# KiCad board AT386SX.kicad_pcb (continued)
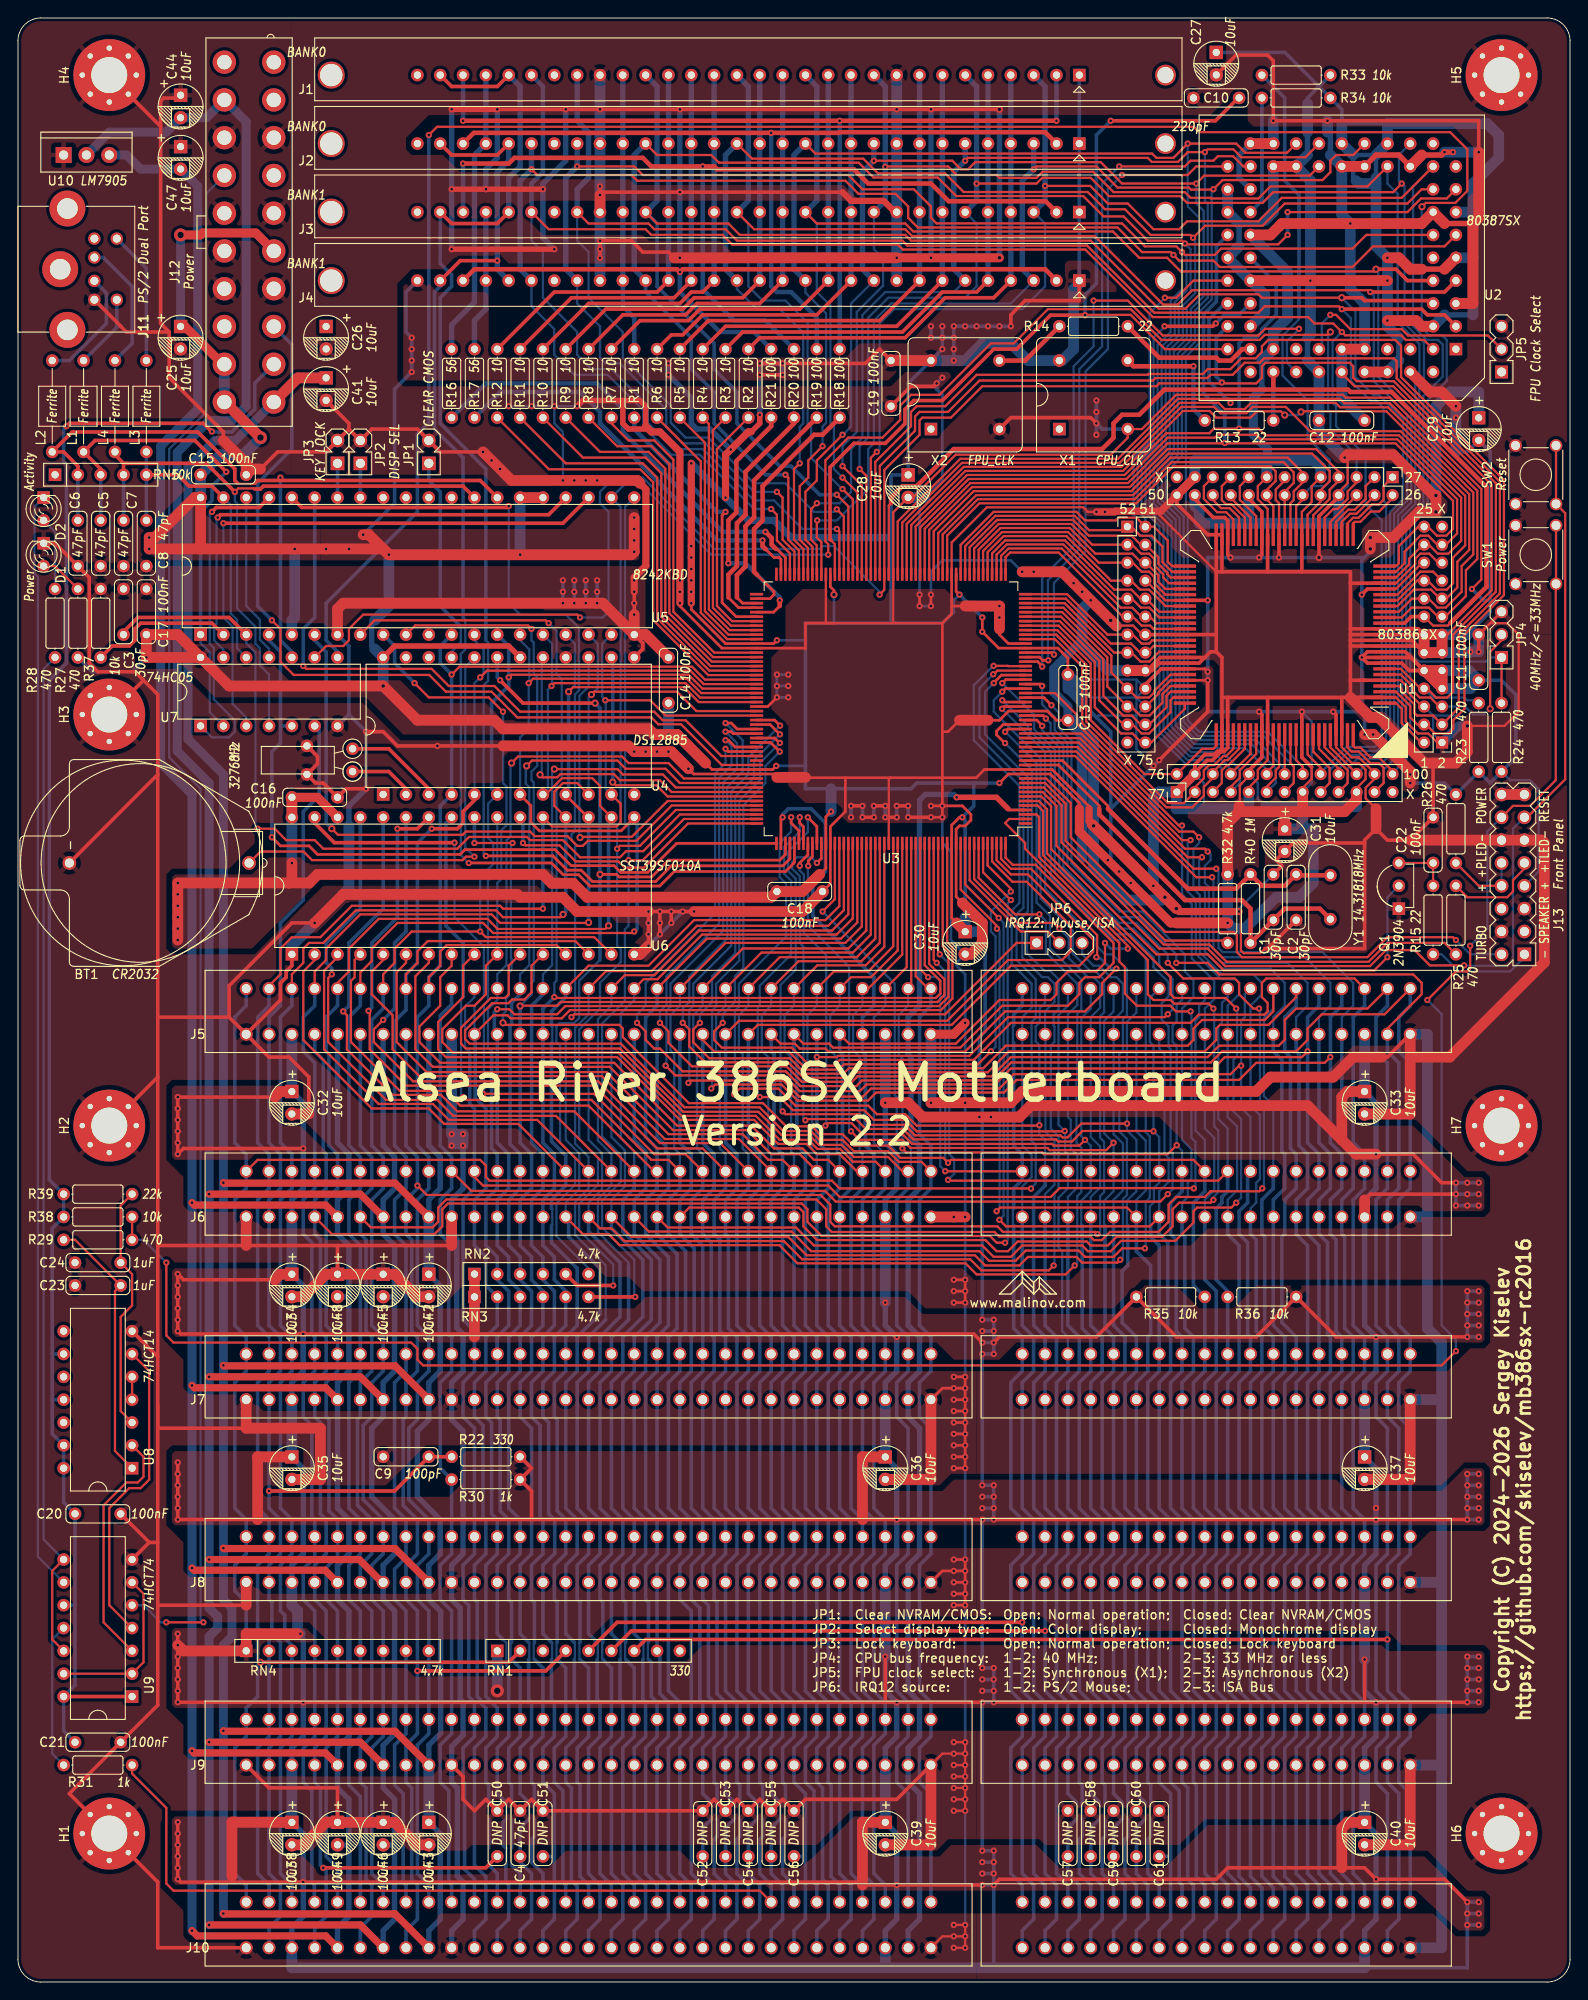
[diagram p0: board, top side]
## Routing (per net, layer and track width the routed paths; a pad name or vN(x,y) marks a point on that pad's centre or on a via; arc(x,y) is an arc through that point) (continued)
DRQ5: length 158.7
  Top w0.25: U3.21 118.32,138.86 129.22,127.95 130.81,127.95 v1(131.44,127.32)
  Bottom w0.25: v1(131.44,127.32) 131.44,126.68 130.81,126.05 130.81,121.6 131.52,120.89 131.52,114.54 133.98,112.08 137.48,112.08 138.43,111.12 138.43,109.86 137.16,108.58 J5.73 137.16,97.47 138.21,96.43 138.21,89.31 137.79,88.9 137.79,86.68 137.16,86.04 J6.73
  Bottom w0.4: J6.73 137.16,83.19 137.79,82.55 137.79,72.39 138.43,71.75 138.43,67.94 137.16,66.68 J7.73 137.16,52.71 138.43,51.44 138.43,47.62 137.16,46.35 J8.73 137.16,32.38 138.43,31.12 138.43,27.31 137.16,26.03 J9.73 137.16,11.75 138.43,10.48 138.43,6.98 137.16,5.72 J10.73
DRQ6: length 162.4
  Top w0.25: v1(132.4,125.73) 132.08,126.05 129.85,126.05 118.05,137.86 U3.19
  Bottom w0.25: J5.75 142.24,107.31 143.51,108.58 143.51,111.12 141.29,113.35 133.99,113.35 132.53,114.8 132.53,121.79 132.08,122.24 132.08,124.14 132.72,124.78 132.72,125.41 v1(132.4,125.73)
  Bottom w0.4: J5.75 142.24,103.5 142.56,103.19 142.56,93.03 143.51,92.07 143.51,88.26 142.24,87 J6.75 142.24,83.19 143.51,81.91 143.51,67.94 142.24,66.68 J7.75 142.24,52.71 143.51,51.44 143.51,47.62 142.24,46.35 J8.75 142.24,32.38 143.51,31.12 143.51,27.31 142.24,26.03 J9.75 142.24,12.06 143.51,10.79 143.51,6.98 142.24,5.72 J10.75
DRQ7: length 165.3
  Top w0.25: v1(133.35,123.83) 130.81,123.83 117.78,136.86 U3.17
  Bottom w0.25: v1(133.35,123.83) 133.6,123.58 133.6,115.01 134.06,114.55 145.17,114.55 148.59,111.12 148.59,108.58 147.32,107.31 J5.77
  Bottom w0.4: J10.77 147.32,5.72 148.59,6.98 148.59,10.79 147.32,12.06 J9.77 147.32,26.03 148.59,27.31 148.59,31.12 147.32,32.38 J8.77 147.32,46.35 148.59,47.62 148.59,51.44 147.32,52.71 J7.77 147.32,66.68 148.59,67.94 148.59,71.75 147.64,72.71 147.64,82.87 147.32,83.19 J6.77 147.32,87 148.59,88.26 148.59,92.07 147.32,93.34 J5.77
FPU_CLK2: length 15.8
  Top w0.5: R14.2 127,180.66 133.35,180.66 133.67,180.34 134.97,180.34 136.24,181.61 U2.53
FPU_PEREQ: length 75.7
  Top w0.25: v1(142.56,183.87) 138.79,183.87 138.04,183.13 127.39,183.13 123.51,187.01 v1(119.7,187.01)
  Top w0.3: v1(113.98,146.3) 113.98,146.36 113.48,146.86 U3.37
  Bottom w0.25: U2.56 141.22,180.09 141.22,182.49 142.56,183.83 v1(142.56,183.87) ; v1(119.7,187.01) 119.7,181.93 117.47,179.7 117.47,159.7 113.98,156.21 113.98,146.31 v1(113.98,146.3)
FPU_RESET: length 103.9
  Top w0.25: U2.51 127.63,181.61 123.82,185.42 118.78,185.42 v1(118.75,185.38) ; U3.91 90.91,159.92 90.49,160.34
  Top w0.4: 90.49,160.34 90.37,160.45 90.37,168.48 93.03,171.13 96.52,171.13 98.7,173.32 98.7,174.9 99.69,175.89 102.87,175.89 108.58,181.61 111.12,181.61 114.9,185.38 v1(118.75,185.38) ; 135.77,209.52 133.26,207.01 121.79,207.01 v1(121.6,207.01)
  Bottom w0.4: v1(121.6,207.01) 120.01,205.42 120.01,188.91 118.75,187.64 v1(118.75,185.38)
HLDA: length 138.4
  Top w0.25: U1.3 153.35,143.51 154.94,141.92 154.94,140.65 155.73,139.86 J14.4 156.69,139.86 157.68,138.86 159.2,138.86 159.73,139.39 159.73,140.36 160.97,141.61 160.97,149.86 165.36,154.25 165.36,167.06 153.92,178.51 153.92,182 153.28,182.63 139.14,182.63 138.43,181.93 138.43,181.29 137.72,180.59 136.14,180.59 134.94,179.39 132.4,179.39 131.86,178.85 125.82,178.85 125.73,178.75 106.68,178.75 103.19,175.26 100.01,175.26 99.38,174.62 99.38,173.04 95.41,169.06 U3.82
HOLD: length 132.3
  Top w0.25: U3.81 95.91,168.61 99.83,172.53 99.83,174.12 100.33,174.62 103.5,174.62 107,178.12 126.3,178.12 126.58,178.4 132.36,178.4 132.72,178.75 135.17,178.75 136.51,180.09 138.18,180.09 138.68,180.59 153.11,180.59 153.42,180.27 153.42,178.36 164.91,166.87 164.91,154.44 160.34,149.86 160.34,141.72 J14.3 157.48,140.86 155.68,140.86 155.39,141.16 155.39,142.11 153.99,143.51 153.99,143.83 153.67,144.14 U1.4
INTR: length 52.1
  Top w0.25: U1.40 139.7,164.15 138.97,164.88 J15.16 138.97,165.96 139.38,166.37 139.38,166.37 139.97,166.96 139.97,168 139.38,168.59 128.59,168.59 124.46,164.47 107,164.47 103.41,160.87 U3.66
IO_CH_RDY: length 257.5
  Top w0.25: J6.41 50.44,87.99 89.81,87.99 91,86.8 127.12,86.8 v1(127.95,87.63)
  Top w0.3: U3.33 109.93,144.86 v1(109.54,144.46)
  Bottom w0.25: v1(127.95,87.63) 128.5,88.17 128.5,92.17 128.27,92.39 128.27,103.75 128.04,103.98 128.04,106.27 127.28,107.04 127.28,108.86 128.04,109.63 128.04,111.19 126.37,112.87 126.37,113.98 123.82,116.52 122.24,116.52 115.38,123.38 115.38,137.03 113.07,139.34 113.07,140.93 110.21,143.79 110.21,143.79 v1(109.54,144.46)
  Bottom w0.4: J10.41 48.26,10.79 47.94,11.11 47.94,21.27 46.99,22.22 46.99,26.35 48.26,27.62 J9.41 48.26,41.28 46.99,42.54 46.99,46.35 48.26,47.62 J8.41 R30.2 46.99,57.15 46.99,66.68 48.26,67.94 J7.41 48.26,71.75 47.94,72.07 47.94,82.23 46.99,83.19 46.99,87 48.26,88.26 J6.41 48.26,91.76 46.99,93.03 46.99,107.47 48.26,108.74 J5.41
IRQ3: length 168.7
  Top w0.25: U3.208 109.91,125.05 110.69,124.26 113.23,124.26 121.92,115.57 121.92,113.35 120.33,111.76 118.75,111.76 118.11,111.12 118.11,109.86 116.84,108.58 109.54,108.58 104.87,103.92 90.71,103.92 90.26,104.37 87.4,104.37 J5.25
  Bottom w0.4: C56.1 87.63,13.97 ; 87.63,13.97 87.63,6.98 86.36,5.72 J10.25 ; 87.63,13.97 87.63,20.96 86.36,22.22 J9.25 86.36,26.03 87.63,27.31 87.63,31.12 86.36,32.38 J8.25 86.36,46.35 87.63,47.62 87.63,51.44 86.36,52.71 J7.25 86.36,66.68 87.63,67.94 87.63,71.75 86.36,73.03 J6.25 86.36,87 87.63,88.26 87.63,92.07 86.68,93.03 86.68,103.19 86.36,103.5 J5.25
IRQ4: length 172.7
  Top w0.25: 122.24,112.71 120.65,111.12 120.65,109.86 118.75,107.95 109.86,107.95 105.37,103.47 90.21,103.47 89.85,103.82 87,103.82 86.45,104.37 84.86,104.37 J5.24 ; U3.207 109.41,124.91 110.5,123.81 112.73,123.81 120.09,116.44 120.09,113.98
  Top w0.3: 122.24,112.71 v1(122.24,112.71) ; 120.09,113.98 v1(120.02,113.98)
  Bottom w0.25: 84.77,20 84.84,19.93 84.84,18.17 84.77,18.1
  Bottom w0.3: v1(120.02,113.98) 120.17,113.82 120.49,113.82 121.6,112.71 v1(122.24,112.71)
  Bottom w0.4: 84.77,18.1 83.82,17.15 C55.1 83.82,12.06 85.09,10.79 85.09,6.98 83.82,5.72 J10.24 ; J5.24 83.82,103.5 84.14,103.19 84.14,93.03 85.09,92.07 85.09,88.26 83.82,87 J6.24 83.82,73.03 85.09,71.75 85.09,67.94 83.82,66.68 J7.24 83.82,52.71 85.09,51.44 85.09,47.62 83.82,46.35 J8.24 83.82,32.38 85.09,31.12 85.09,27.31 83.82,26.03 J9.24 83.82,20.96 84.77,20
IRQ5: length 167.5
  Top w0.25: U3.206 108.91,124.77 110.49,123.19 112.4,123.19 119.64,115.94 119.64,114.56 118.11,113.03 110.49,113.03 103.91,106.45 82.32,106.45 J5.23
  Bottom w0.25: 82.23,20 82.3,19.93 82.3,18.17 82.23,18.1
  Bottom w0.4: 82.23,20 81.28,20.96 J9.23 81.28,26.03 82.55,27.31 82.55,31.12 81.28,32.38 J8.23 81.28,46.35 82.55,47.62 82.55,51.44 81.28,52.71 J7.23 81.28,66.68 82.55,67.94 82.55,71.75 81.28,73.03 J6.23 81.28,87 82.55,88.26 82.55,92.07 81.28,93.34 J5.23 ; 82.23,18.1 81.28,17.15 C54.1 81.28,12.06 82.55,10.79 82.55,6.98 81.28,5.72 J10.23
IRQ6: length 166.5
  Top w0.25: U3.205 108.41,124.64 110.67,122.37 112.26,122.37 117.16,117.47 117.16,114.64 116.19,113.66 110.17,113.66 103.41,106.9 80.23,106.9 J5.22
  Bottom w0.25: 79.69,18.1 79.76,18.17 79.76,19.93 79.69,20
  Bottom w0.4: J10.22 78.74,5.72 80.01,6.98 80.01,10.79 78.74,12.06 C53.1 78.74,17.15 79.69,18.1 ; J5.22 78.74,93.34 80.01,92.07 80.01,88.26 78.74,87 J6.22 78.74,83.19 79.06,82.87 79.06,72.71 80.01,71.75 80.01,67.94 78.74,66.68 J7.22 78.74,52.71 80.01,51.44 80.01,47.62 78.74,46.35 J8.22 78.74,32.38 80.01,31.12 80.01,27.31 78.74,26.03 J9.22 78.74,20.96 79.69,20
IRQ7: length 168.2
  Top w0.25: v1(110.49,121.28) 110.49,121.6 107.91,124.19 U3.204 ; J5.21 76.2,104.78 77.51,103.47 85.8,103.47 87.8,101.47 91.31,101.47 91.91,102.07 106.84,102.07 v1(108.27,103.5)
  Bottom w0.25: 77.15,20 77.22,19.93 77.22,18.17 77.15,18.1 ; v1(110.49,121.28) 108.27,119.06 108.27,116.84 108.79,116.32 108.79,104.02 v1(108.27,103.5)
  Bottom w0.4: 77.15,18.1 76.2,17.15 C52.1 76.2,12.06 77.47,10.79 77.47,6.98 76.2,5.72 J10.21 ; J5.21 76.2,93.34 77.47,92.07 77.47,88.26 76.2,87 J6.21 76.2,83.19 77.15,82.23 77.15,72.07 77.47,71.75 77.47,67.94 76.2,66.68 J7.21 76.2,52.71 77.47,51.44 77.47,47.62 76.2,46.35 J8.21 76.2,42.54 76.83,41.91 76.83,31.75 77.47,31.12 77.47,27.31 76.2,26.03 J9.21 76.2,20.96 77.15,20
IRQ9: length 255.5
  Top w0.25: U3.203 107.41,123.42 109.82,121.01 110.49,120.33 v1(110.49,120.33) ; v1(109.86,82.23) 108.9,82.23 108.16,82.97 89.43,82.97 87.86,84.55 87.86,85.95 87.22,86.59 47.85,86.59 47.22,85.95 47.22,84.05 46.36,83.19 34.92,83.19 J6.4
  Top w0.4: v1(33.97,12.7) 52.05,12.7 53.32,13.97
  Bottom w0.25: v1(109.86,82.23) 110.14,82.51 110.14,119.98 v1(110.49,120.33)
  Bottom w0.4: J5.4 33.02,103.5 33.97,102.55 33.97,92.39 34.29,92.07 34.29,88.26 33.02,87 J6.4 33.02,83.19 33.66,82.55 33.66,72.39 34.29,71.75 34.29,67.94 33.02,66.68 J7.4 33.02,62.87 33.66,62.23 33.66,52.07 34.29,51.44 34.29,47.62 33.02,46.35 J8.4 33.02,42.54 34.29,41.28 34.29,27.31 33.02,26.03 J9.4 33.02,22.22 33.66,21.59 33.66,13.02 v1(33.97,12.7) 34.29,12.38 34.29,7.3 33.02,6.03 J10.4
IRQ10: length 135.3
  Top w0.25: U3.202 106.91,122.81 110.97,118.75 v1(113.66,118.75)
  Bottom w0.25: J6.65 116.84,87.31 117.88,88.36 117.88,91.98 117.16,92.71 117.16,95.88 116.84,96.2 J5.65 116.84,107.63 117.88,108.68 117.88,111.03 114.39,114.53 114.39,118.02 v1(113.66,118.75) ; 117.79,20 117.86,19.93 117.86,18.17 117.79,18.1
  Bottom w0.4: J6.65 116.84,73.03 118.11,71.75 118.11,67.94 116.84,66.68 J7.65 116.84,52.71 118.11,51.44 118.11,47.62 116.84,46.35 J8.65 116.84,32.38 118.11,31.12 118.11,27.31 116.84,26.03 J9.65 116.84,20.96 117.79,20 ; J10.65 116.84,5.72 118.11,6.98 118.11,10.79 116.84,12.06 C57.1 116.84,17.15 117.79,18.1
IRQ11: length 137.7
  Top w0.25: v1(115.89,117.16) 115.25,117.79 111.28,117.79 106.41,122.67 U3.201
  Bottom w0.25: 120.33,18.1 120.4,18.17 120.4,19.93 120.33,20 ; J6.66 119.38,87.31 120.43,88.36 120.43,92.93 119.38,93.98 J5.66 119.38,107.31 120.43,108.36 120.43,111.03 119.7,111.76 119.06,111.76 116.93,113.89 116.93,116.11 v1(115.89,117.16)
  Bottom w0.4: J10.66 119.38,5.72 120.65,6.98 120.65,10.79 119.38,12.06 C58.1 119.38,17.15 120.33,18.1 ; 120.33,20 119.38,20.96 J9.66 119.38,26.03 120.65,27.31 120.65,31.12 119.38,32.38 J8.66 119.38,46.35 120.65,47.62 120.65,51.44 119.38,52.71 J7.66 119.38,66.68 120.65,67.94 120.65,71.75 119.38,73.03 J6.66
IRQ12: length 120.7
  Bottom w0.25: JP6.3 118.43,114.3 119.7,113.03 120.33,113.03 121.6,111.76 122.24,111.76 122.96,111.03 122.96,108.04 121.92,107 J5.67 121.92,94.3 122.96,93.25 122.96,88.04 121.92,87 J6.67 ; 122.87,18.1 122.94,18.17 122.94,19.93 122.87,20
  Bottom w0.4: 122.87,18.1 121.92,17.15 C59.1 121.92,12.06 123.19,10.79 123.19,6.98 121.92,5.72 J10.67 ; 122.87,20 121.92,20.96 J9.67 121.92,26.03 123.19,27.31 123.19,31.12 121.92,32.38 J8.67 121.92,46.35 123.19,47.62 123.19,51.44 121.92,52.71 J7.67 121.92,66.68 123.19,67.94 123.19,71.75 121.92,73.03 J6.67
IRQ12_JP: length 17
  Top w0.25: U3.200 105.91,122.54 111.6,116.84 114.62,116.84 JP6.2
IRQ14: length 170.3
  Top w0.25: v1(109.14,118.35) 105.41,122.08 U3.199 ; v1(109.22,84.77) 109.95,84.05 125.96,84.05 J6.69
  Bottom w0.25: v1(109.14,118.35) 109.69,117.8 109.69,85.24 v1(109.22,84.77) ; J5.69 127,103.82 127.58,103.24 127.58,92.13 128.04,91.67 128.04,88.99 127,87.95 J6.69
  Bottom w0.4: J6.69 127,83.19 127.95,82.23 127.95,72.07 128.27,71.75 128.27,67.94 127,66.68 J7.69 127,52.71 128.27,51.44 128.27,47.62 127,46.35 J8.69 127,32.38 128.27,31.12 128.27,27.31 127,26.03 J9.69 127,22.22 128.27,20.96 128.27,13.97 ; 128.27,13.97 C61.1 ; 128.27,13.97 128.27,6.98 127,5.72 J10.69
IRQ15: length 166.8
  Top w0.25: v1(108.94,117.16) 108.88,117.22 108.88,117.53 104.91,121.51 U3.198 ; J6.68 123.42,86.13 109.31,86.13 v1(108.9,85.72)
  Bottom w0.25: v1(108.94,117.16) 109.24,116.86 109.24,86.06 v1(108.9,85.72) ; 125.41,20 125.48,19.93 125.48,18.17 125.41,18.1 ; J5.68 124.46,94.62 125.5,93.57 125.5,88.04 124.46,87 J6.68
  Bottom w0.4: 125.41,18.1 124.46,17.15 C60.1 124.46,12.06 125.73,10.79 125.73,6.98 124.46,5.72 J10.68 ; J6.68 124.46,81.28 126.05,79.69 126.05,72.07 125.73,71.75 125.73,67.94 124.46,66.68 J7.68 124.46,52.71 125.73,51.44 125.73,47.62 124.46,46.35 J8.68 124.46,32.38 125.73,31.12 125.73,27.31 124.46,26.03 J9.68 124.46,20.96 125.41,20
KBC_CLK: length 97.4
  Top w0.25: v1(26.67,128.27) 28.57,128.27 29.84,127 33.02,127 33.97,126.05 48.89,126.05 50.2,127.36 56.63,127.36 56.99,127 60.64,127 62.55,125.09 66.99,125.09 67.67,125.77 69.57,125.77 73.66,129.86 U3.154
  Top w0.4: U5.3 23.49,151.76 13.33,151.76 11.75,150.18 C3.1
  Bottom w0.25: v1(26.67,128.27) 26.42,128.52 26.42,147.88 25.4,148.91 U5.3
KBC_IRQ1: length 73.8
  Top w0.25: U3.141 78.28,136.36 74.3,140.33 71.75,140.33 70.8,141.29 55.88,141.29 53.02,144.14 47.94,144.14 46.04,146.05 32.07,146.05 v1(31.75,146.37)
  Bottom w0.4: v1(31.75,146.37) 31.75,150.5 33.02,151.76 U5.35
KBC_IRQ12: length 143.6
  Top w0.25: JP6.1 111.12,115.57 103.19,107.63 61.91,107.63 61.6,107.32 v1(61.6,107.31)
  Top w0.4: U5.36 31.58,164 54.46,164 v1(54.61,164.15)
  Bottom w0.25: v1(61.6,107.31) 62,107.72 62,126.59 61.59,127 61.59,127.64 61.98,128.02 61.98,143.19 62.43,143.64 62.43,150.61 60.96,152.08 55.88,152.08 54.61,153.35 v1(54.61,164.15)
LA17: length 176.1
  Top w0.25: v1(128.95,93.07) 127.95,92.07 114.17,92.07 113.98,92.26 98.87,92.26 v1(98.42,92.71) ; v1(89.53,119.06) 90.91,120.43 U3.170
  Bottom w0.25: J5.88 129.54,109.22 128.94,108.62 128.94,106.82 128.5,106.37 128.5,104.55 128.94,104.1 128.94,93.07 v1(128.95,93.07) 129.54,92.48 J6.88 ; v1(98.42,92.71) 98.42,92.71 97.79,93.34 97.79,98.43 97.57,98.65 97.57,111.03 v1(89.53,119.06)
  Bottom w0.4: J10.88 129.54,10.79 129.22,11.11 129.22,21.27 128.27,22.22 128.27,26.03 129.54,27.31 J9.88 129.54,31.12 128.27,32.38 128.27,46.35 129.54,47.62 J8.88 129.54,51.44 128.27,52.71 128.27,66.68 129.54,67.94 J7.88 129.54,71.75 128.91,72.39 128.91,82.55 128.27,83.19 128.27,86.68 129.54,87.95 J6.88
LA18: length 182.1
  Top w0.25: v1(87.63,95.85) 87.76,95.98 93.25,95.98 94.35,94.88 98.47,94.88 99.64,93.72 115.52,93.72 115.76,93.48 117.29,93.48 118.47,94.65 126.33,94.65 v1(126.37,94.62)
  Top w0.3: U3.167 89.41,124.97 v1(88.9,124.46)
  Bottom w0.25: v1(88.9,124.46) 88.27,125.09 86.68,125.09 86.16,124.58 86.16,123.82 87,122.99 87,115.57 87.4,115.16 87.4,96.07 v1(87.63,95.85) ; 126.05,84.14 125.96,84.23 125.96,86.27 126.41,86.72 126.41,88.31 127,88.9 J6.87 127,93.98 v1(126.37,94.62) 126.37,104.14 125.96,104.55 125.96,109.45 J5.87 ; 126.05,20 125.98,19.93 125.98,18.17 126.05,18.1
  Bottom w0.4: 126.05,20 126.05,21.91 125.73,22.22 125.73,26.03 127,27.31 J9.87 127,31.12 125.73,32.38 125.73,46.35 127,47.62 J8.87 127,51.44 125.73,52.71 125.73,66.68 127,67.94 J7.87 127,81.91 126.05,82.87 126.05,84.14 ; 126.05,18.1 126.05,16.19 125.73,15.88 125.73,12.06 127,10.79 J10.87
LA19: length 185.6
  Top w0.25: v1(123.42,95.48) 118.34,95.48 116.79,93.93 116.26,93.93 116.02,94.17 99.83,94.17 98.66,95.33 94.85,95.33 93.66,96.52 85.41,96.52 v1(85.09,96.84)
  Top w0.3: U3.166 88.91,128.53 v1(87.89,129.54)
  Bottom w0.25: 123.51,20 123.44,19.93 123.44,18.17 123.51,18.1 ; 123.51,84.14 123.42,84.23 123.42,86.9 124.14,87.63 124.46,87.95 J6.86 124.46,93.66 123.42,94.71 v1(123.42,95.48) 123.42,106.79 124.46,107.83 J5.86 ; v1(85.09,96.84) 84.86,97.06 84.86,110.9 86.55,112.58 86.55,122.72 85.71,123.56 85.71,125.72 87.89,127.9 v1(87.89,129.54)
  Bottom w0.4: 123.51,18.1 123.51,16.19 123.19,15.88 123.19,12.06 124.46,10.79 J10.86 ; 123.51,84.14 123.51,79.69 122.87,79.06 122.87,73.34 124.46,71.75 J7.86 124.46,67.94 123.19,66.68 123.19,52.71 124.46,51.44 J8.86 124.46,47.62 123.19,46.35 123.19,32.38 124.46,31.12 J9.86 124.46,27.31 123.19,26.03 123.19,22.22 123.51,21.91 123.51,20
LA20: length 171.4
  Top w0.25: v1(121.92,93.34) 121.1,92.52 114.8,92.52 114.56,92.76 99.32,92.76 98.42,93.66 93.66,93.66 v1(92.71,94.61)
  Top w0.3: U3.165 88.41,125.16 87.95,124.71 v1(87.95,124.14)
  Bottom w0.25: v1(87.95,124.14) 87.91,124.11 87.91,117.51 92.48,112.94 92.48,94.84 v1(92.71,94.61) ; 120.97,18.1 120.9,18.17 120.9,19.93 120.97,20 ; J5.85 121.92,107.95 120.87,106.9 120.87,94.39 121.92,93.35 v1(121.92,93.34) J6.85 121.92,87.95 120.88,86.9 120.88,84.23 120.97,84.14
  Bottom w0.4: J10.85 121.92,10.79 120.65,12.06 120.65,15.88 120.97,16.19 120.97,18.1 ; 120.97,20 120.97,21.91 120.65,22.22 120.65,26.03 121.92,27.31 J9.85 121.92,31.12 120.65,32.38 120.65,46.35 121.92,47.62 J8.85 121.92,51.44 120.65,52.71 120.65,66.68 121.92,67.94 J7.85 121.92,71.75 120.97,72.71 120.97,84.14
LA21: length 170.1
  Top w0.25: v1(118.75,93.66) 118.11,93.03 115.25,93.03 115.07,93.21 99.51,93.21 98.42,94.3 93.98,94.3 92.75,95.53 90.13,95.53 v1(89.85,95.25)
  Top w0.3: v1(87,124.14) 87,124.46 87.91,125.37 U3.164
  Bottom w0.25: 118.43,18.1 118.36,18.17 118.36,19.93 118.43,20 ; J5.84 119.38,108.27 119.22,108.11 118.34,107.22 118.34,94.07 v1(118.75,93.66) 119.38,93.03 J6.84 119.38,87.95 118.93,87.5 118.34,86.9 118.34,84.23 118.43,84.14 ; v1(87,124.14) 87,123.62 87.46,123.16 87.46,116.69 89.94,114.21 89.94,95.34 v1(89.85,95.25)
  Bottom w0.4: 118.43,18.1 118.43,16.19 118.11,15.88 118.11,12.06 119.38,10.79 J10.84 ; 118.43,20 118.43,21.91 118.11,22.22 118.11,26.03 119.38,27.31 J9.84 119.38,31.12 118.11,32.38 118.11,46.35 119.38,47.62 J8.84 119.38,51.44 118.11,52.71 118.11,66.68 119.38,67.94 J7.84 119.38,71.75 118.43,72.71 118.43,84.14
LA22: length 178.9
  Top w0.25: v1(116.48,94.65) 116.44,94.62 100.01,94.62 98.74,95.88 95.25,95.88 94.17,96.97 86.23,96.97 84.77,98.43 v1(82.55,98.43)
  Top w0.3: v1(87,129.54) 87,128.91 87.41,128.5 U3.163
  Bottom w0.25: J5.83 116.84,108.58 115.79,107.54 115.79,95.34 v1(116.48,94.65) 116.52,94.62 116.52,92.39 116.84,92.07 J6.83 116.84,88.26 115.8,87.22 115.8,81.69 116.21,81.28 116.21,72.39 116.84,71.75 J7.83 ; v1(82.55,98.43) 82.32,98.65 82.32,108.36 82.55,108.58 82.55,110.81 86.04,114.3 86.04,122.47 85.26,123.25 85.26,126.22 87,127.95 v1(87,129.54)
  Bottom w0.4: J10.83 116.84,10.79 115.57,12.06 115.57,26.03 116.84,27.31 J9.83 116.84,31.12 115.57,32.38 115.57,46.35 116.84,47.62 J8.83 116.84,51.44 115.57,52.71 115.57,66.68 116.84,67.94 J7.83
LA23: length 179.9
  Top w0.25: v1(79.69,98.74) 80.32,99.37 84.62,99.37 86.52,97.47 94.61,97.47 95.57,96.52 98.74,96.52 100.01,95.25 113.63,95.25 v1(113.66,95.29)
  Top w0.3: v1(86.04,129.54) 86.04,128.91 86.91,128.04 U3.162
  Bottom w0.25: v1(79.69,98.74) 79.78,98.83 79.78,108.04 80.23,108.49 80.23,111.03 85.48,116.28 85.48,122.17 84.77,122.87 84.77,126.68 86.04,127.95 v1(86.04,129.54) ; J6.82 114.3,93.66 113.66,94.3 v1(113.66,95.29) 113.66,104.2 113.26,104.6 113.26,106.27 113.71,106.72 113.71,108.31 114.3,108.9 J5.82
  Bottom w0.4: J6.82 114.3,88.58 113.03,87.31 113.03,73.03 114.3,71.75 J7.82 114.3,67.94 113.03,66.68 113.03,52.71 114.3,51.44 J8.82 114.3,47.62 113.03,46.35 113.03,32.38 114.3,31.12 J9.82 114.3,27.31 113.03,26.03 113.03,12.06 114.3,10.79 J10.82
M/~{IO}: length 112.6
  Top w0.25: U3.73 99.91,161.91 105.61,167.61 123.16,167.61 127.81,172.26 132.57,172.26 133.07,172.76 138.07,172.76 138.8,172.03 153.68,172.03 160.6,165.11 160.6,160.28 159.18,158.86 158.01,158.86 157,159.86 J14.24 156.37,159.86 154.81,158.3 154.81,157.66 153.35,156.21 U1.23
  Bottom w0.4: U2.44 140.02,188.91 140.02,185.42 138.43,183.83 138.43,183.51 137.79,182.88 136.53,182.88 135.89,182.25 v1(135.89,172.76)
MA0: length 27.5
  Top w0.25: R2.1 77.79,170.5 77.79,153.03 79.47,151.36 U3.111
MA1: length 27.4
  Top w0.25: U3.112 79.33,150.86 77.34,152.85 77.34,172.59 R3.1
MA2: length 27.9
  Top w0.25: R4.1 76.89,173.3 76.89,152.66 79.2,150.36 U3.113
MA3: length 29.5
  Top w0.25: U3.114 79.06,149.86 76.44,152.48 76.44,171.21 R5.1
MA4: length 31.1
  Top w0.25: R6.1 75.99,169.12 75.99,152.29 78.92,149.36 U3.115
MA5: length 37.3
  Top w0.25: U3.118 77.49,147.86 72.94,152.41 72.94,169.32 70.8,171.45 67.94,171.45 66.04,173.35 R7.1
MA6: length 39.4
  Top w0.25: U3.119 77.35,147.36 72.49,152.22 72.49,168.81 70.48,170.81 66.67,170.81 R8.1
MA7: length 42
  Top w0.25: R9.1 64.77,170.18 70.17,170.18 72.04,168.31 72.04,152.03 77.22,146.86 U3.120
MA8: length 44.6
  Top w0.25: R10.1 62.86,169.55 69.85,169.55 71.59,167.81 71.59,151.85 77.08,146.36 U3.121
MA9: length 47.1
  Top w0.25: U3.122 76.94,145.86 71.14,151.66 71.14,167.31 69.53,168.91 60.96,168.91 R11.1
MA10: length 49.7
  Top w0.25: U3.123 76.81,145.36 70.69,151.48 70.69,166.8 69.24,168.25 59.08,168.25 R12.1
MASTER: length 266.9
  Top w0.25: J5.79 152.4,106.04 156.21,109.86 156.21,111.12 155.27,112.07 133.68,112.07 132.4,113.35 v1(128.91,113.35)
  Top w0.3: v1(113.98,144.14) 113.77,144.36 U3.32
  Top w0.4: v1(152.4,38.1) 69.85,38.1 RN1.7
  Bottom w0.25: v1(128.91,113.35) 128.91,114.3 124.78,118.43 122.58,118.43 116.79,124.22 116.79,137.81 115.37,139.23 115.37,140.7 113.98,142.08 v1(113.98,144.14)
  Bottom w0.4: J10.79 152.4,5.72 153.67,6.98 153.67,20.96 152.4,22.22 J9.79 152.4,26.03 153.67,27.31 153.67,31.12 152.4,32.38 J8.79 152.4,46.35 153.67,47.62 153.67,61.59 152.4,62.87 J7.79 152.4,66.68 153.67,67.94 153.67,71.75 152.4,73.03 J6.79 152.4,87 153.67,88.26 153.67,102.23 152.4,103.5 J5.79
NMI: length 54.7
  Top w0.25: U1.38 J15.14 140.97,165.74 141.97,166.73 141.97,167.91 140.84,169.04 128.4,169.04 124.28,164.92 106.82,164.92 102.91,161.01 U3.67
OSC: length 146.2
  Top w0.3: 110.17,130.49 110.31,130.36 U3.4
  Top w0.6: 110.17,130.49 108.9,131.76 v1(104.46,131.76)
  Bottom w0.6: J10.30 99.06,5.72 100.33,6.98 100.33,20.96 99.06,22.22 J9.30 99.06,26.03 100.33,27.31 100.33,31.12 99.06,32.38 J8.30 99.06,46.35 100.33,47.62 100.33,61.59 99.06,62.87 J7.30 99.06,66.68 100.33,67.94 100.33,71.75 99.06,73.03 J6.30 99.06,87 100.33,88.26 100.33,92.99 99.38,93.94 99.38,102.87 99.06,103.19 J5.30 99.06,107.31 100.33,108.58 100.33,131.44 100.97,132.08 104.14,132.08 v1(104.46,131.76)
POWER_GOOD: length 98.5
  Top w0.25: v1(28.26,151.45) 29.21,150.5 29.21,146.84 30.68,145.38 45.76,145.38 47.62,143.51 52.71,143.51 55.56,140.65 70.48,140.65 71.25,139.89 73.79,139.89 78.32,135.36 U3.143
  Bottom w0.4: J12.8 30.48,182.12 30.48,170.5 26.67,166.69 26.67,153.03 v1(28.26,151.45)
POWER_SW: length 262.7
  Top w0.25: v1(161.61,115.25) 161.61,115.25 161.61,112.71 161.29,112.39 160.02,112.39 v1(156.84,109.22) ; SW1.2 SW1.2 171.13,155.47 171.13,133.67 168.28,130.81 166.37,130.81 J13.14 ; v1(16.51,80.01) 16.51,71.91 17.3,71.12 43.76,71.12 44.45,70.43 44.45,69.22 45.09,68.58 158.43,68.58 v1(160.02,70.17) ; R38.1 R29.1
  Bottom w0.25: v1(156.84,109.22) 158.43,107.63 158.43,73.03 160.02,71.44 v1(160.02,70.17) ; R29.1 13.97,82.55 v1(16.51,80.01) ; J13.14 163.51,127.95 163.51,117.16 v1(161.61,115.25)
RESET: length 165.6
  Top w0.4: R22.2 C9.1 41.91,54.61 v1(27.94,54.61)
  Bottom w0.4: J10.2 27.94,6.03 29.21,7.3 29.21,10.79 27.94,12.06 J9.2 27.94,26.03 29.21,27.31 29.21,37.78 28.26,38.73 28.26,42.23 27.94,42.54 J8.2 27.94,46.35 29.21,47.62 29.21,51.44 27.94,52.71 v1(27.94,54.61) J7.2 27.94,66.68 29.21,67.94 29.21,71.75 27.94,73.03 J6.2 27.94,87 29.21,88.26 29.21,92.07 27.94,93.34 J5.2 27.94,107.31 29.21,108.58 29.21,117.79 31.75,120.33 31.75,130.18 33.52,131.94 33.52,139.2 U7.6
RTC_AS: length 30.6
  Top w0.25: v2(66.19,133.45) 66.53,133.1 71.05,133.1 72.3,131.86 U3.150
  Bottom w0.4: v2(66.19,133.45) 66.19,147.17 U4.14
RTC_DS: length 38.4
  Top w0.25: U3.149 72.75,132.36 71.44,133.67 66.99,133.67 66.32,134.34 60.36,134.34 60.01,133.99 58.38,133.99 v2(58.1,134.27)
  Bottom w0.25: U4.17 58.29,147.19 58.29,134.45 v2(58.1,134.27)
RTC_RW: length 41.8
  Top w0.25: U3.151 72.3,131.36 68.32,127.37 62.64,127.37 v2(62.55,127.28)
  Bottom w0.25: v2(62.55,127.28) 62.48,127.35 62.48,143.05 63.5,144.07 U4.15
SA0: length 196.7
  Top w0.25: J6.62 100.56,91.21 98.02,91.21 96.84,92.39 93.03,92.39 91.76,93.66 89.22,93.66 88.23,94.65 85.16,94.65 82.53,97.29 74.17,97.29 67.09,104.37 50.26,104.37 49.76,104.87 49.76,105.84 52.78,108.86 54.57,108.86 54.98,109.27 56.36,109.27 57.15,110.07 57.15,113.03 U6.12 ; J5.62 101.28,110.49 99.91,111.87 U3.188
  Bottom w0.4: J5.62 101.6,108.58 100.33,107.31 100.33,94.3 101.6,93.03 J6.62 101.6,88.26 100.33,87 100.33,73.03 101.6,71.75 J7.62 101.6,67.94 100.33,66.68 100.33,62.87 101.6,61.59 J8.62 101.6,47.62 100.33,46.35 100.33,32.38 101.6,31.12 J9.62 101.6,27.31 100.33,26.03 100.33,22.22 101.6,20.96 J10.62
SA1: length 192.9
  Top w0.25: J5.61 99.41,110.83 U3.187 ; U6.11 54.61,113.03 54.61,109.86 54.2,109.45 52.61,109.45 49.3,106.14 49.3,104.37 49.85,103.82 66.99,103.82 74.03,96.78 82.4,96.78 84.98,94.2 88.04,94.2 89.14,93.11 91.68,93.11 93.03,91.76 96.84,91.76 98.42,90.17 J6.61
  Top w0.3: 99.18,110.81 98.86,110.49
  Bottom w0.25: J6.61 99.38,90.49 99.38,92.78 98.42,93.73 98.42,102.69 98.02,103.1 98.02,107.54 99.06,108.58 J5.61
  Bottom w0.4: J6.61 99.06,88.26 97.79,87 97.79,73.03 99.06,71.75 J7.61 99.06,67.94 97.79,66.68 97.79,62.87 99.06,61.59 J8.61 99.06,47.62 97.79,46.35 97.79,32.38 99.06,31.12 J9.61 99.06,27.31 97.79,26.03 97.79,22.22 99.06,20.96 J10.61
SA2: length 237.7
  Top w0.25: U3.186 98.91,112.88 J5.60 ; J6.60 95.46,91.23 92.92,91.23 91.5,92.66 88.96,92.66 87.95,93.66 84.77,93.66 82.1,96.33 73.85,96.33 66.81,103.37 48.39,103.37 47.22,104.55 47.22,105.95 49.85,108.58 50.8,108.58 52.07,109.86 52.07,113.03 U6.10 ; v1(53.97,141.29) 52.39,142.88 45.72,142.88 v1(44.13,144.46)
  Bottom w0.25: J5.60 96.52,108.58 95.25,107.31 95.25,93.34 96.52,92.07 J6.60 ; U6.10 53.34,122.24 53.79,122.69 53.79,128.08 54.36,128.66 54.36,132.96 53.97,133.35 v1(53.97,141.29)